# KiCad board frothfet-12ch.kicad_pcb (continued)
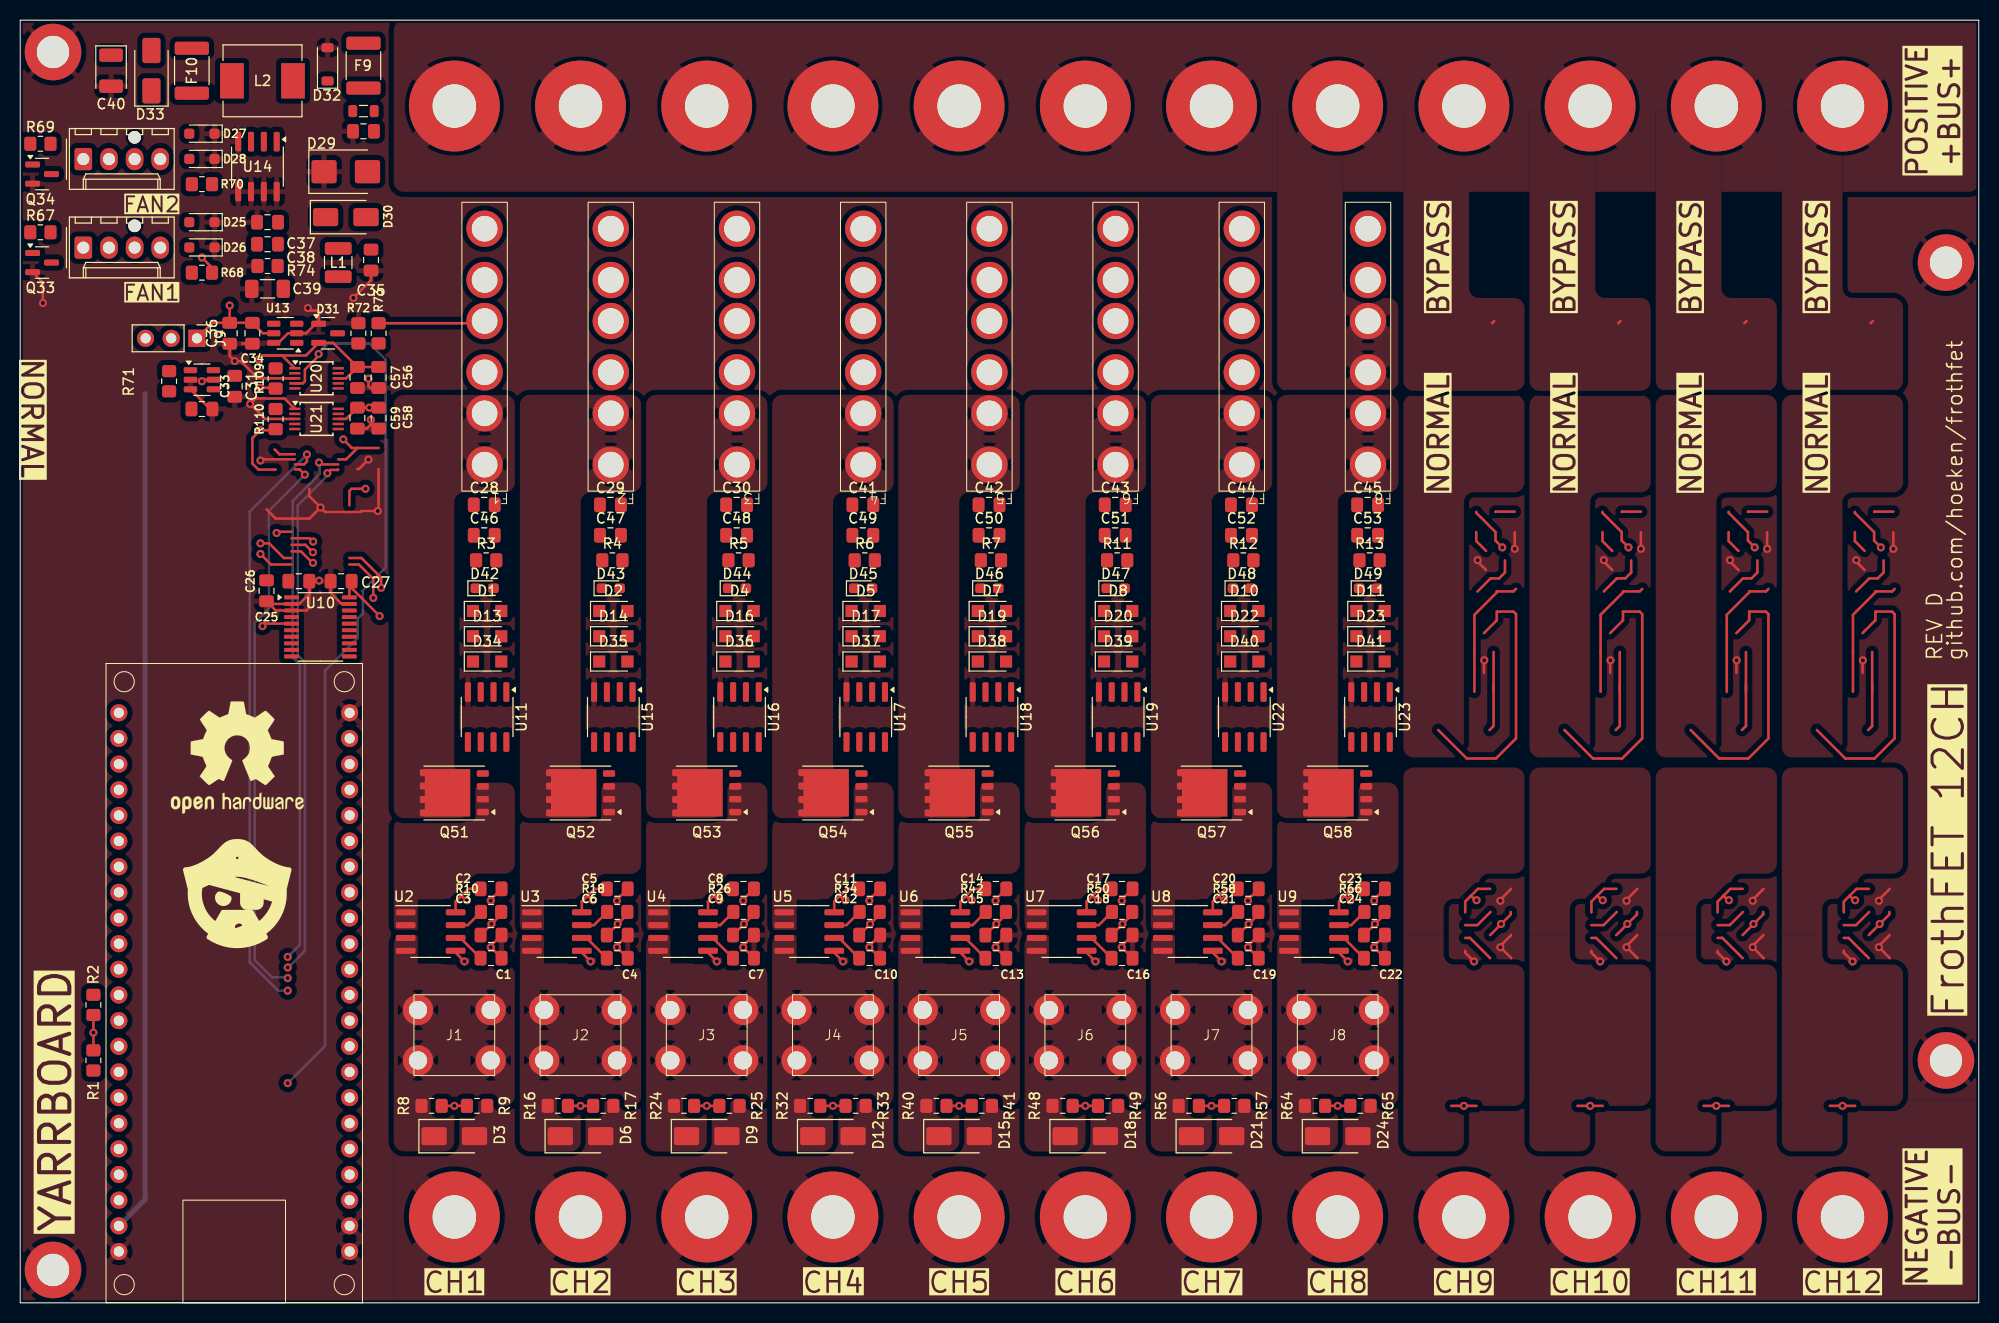
[diagram p0: board, top side]
## Copper pours and planes (outline as drawn; the poured copper is in the pictures) (continued)
Net-(D15-K) on Top: 91,36.5 91,33.5 99,33.5 99,19.5 93,19.5 93,15 86.99,15 87,36.5
Net-(D15-K) on Top: 91,36.5 91,33.5 99,33.5 99,19.5 93,19.5 93,15 86.99,15 87,36.5
Net-(D15-K) on Bottom: 87,20 87,109 99,109 99,99.5 93,99.5 93,32.5 99,32.5 99,20
Net-(D15-K) on Bottom: 87,20 87,109 99,109 99,99.5 93,99.5 93,32.5 99,32.5 99,20
Net-(D18-K) on Top: 103.5,36.5 103.5,33.5 111.5,33.5 111.5,19.5 105.5,19.5 105.5,15 99.49,15 99.5,36.5
Net-(D18-K) on Top: 103.5,36.5 103.5,33.5 111.5,33.5 111.5,19.5 105.5,19.5 105.5,15 99.49,15 99.5,36.5
Net-(D18-K) on Bottom: 99.5,20 99.5,109 111.5,109 111.5,99.5 105.5,99.5 105.5,32.5 111.5,32.5 111.5,20
Net-(D18-K) on Bottom: 99.5,20 99.5,109 111.5,109 111.5,99.5 105.5,99.5 105.5,32.5 111.5,32.5 111.5,20
Net-(D21-K) on Top: 116,36.5 116,33.5 124,33.5 124,19.5 118,19.5 118,15 111.99,15 112,36.5
Net-(D21-K) on Top: 116,36.5 116,33.5 124,33.5 124,19.5 118,19.5 118,15 111.99,15 112,36.5
Net-(D21-K) on Bottom: 112,20 112,109 124,109 124,99.5 118,99.5 118,32.5 124,32.5 124,20
Net-(D21-K) on Bottom: 112,20 112,109 124,109 124,99.5 118,99.5 118,32.5 124,32.5 124,20
Net-(D24-K) on Top: 128.5,36.5 128.5,33.5 136.5,33.5 136.5,19.5 130.5,19.5 130.5,15 124.49,15 124.5,36.5
Net-(D24-K) on Top: 128.5,36.5 128.5,33.5 136.5,33.5 136.5,19.5 130.5,19.5 130.5,15 124.49,15 124.5,36.5
Net-(D24-K) on Bottom: 124.5,20 124.5,109 136.5,109 136.5,99.5 130.5,99.5 130.5,32.5 136.5,32.5 136.5,20
Net-(D24-K) on Bottom: 124.5,20 124.5,109 136.5,109 136.5,99.5 130.5,99.5 130.5,32.5 136.5,32.5 136.5,20
Net-(D36-A) on Top: 74,89.9 62,89.9 62,48 69.5,48 69.5,52.5 68,52.5 68,80.25 74,80.25
Net-(D36-A) on Top: 74,89.9 62,89.9 62,48 69.5,48 69.5,52.5 68,52.5 68,80.25 74,80.25
Net-(D37-A) on Top: 86.5,89.9 74.5,89.9 74.5,48 82,48 82,52.5 80.5,52.5 80.5,80.25 86.5,80.25
Net-(D37-A) on Top: 86.5,89.9 74.5,89.9 74.5,48 82,48 82,52.5 80.5,52.5 80.5,80.25 86.5,80.25
Net-(D38-A) on Top: 99,89.9 87,89.9 87,48 94.5,48 94.5,52.5 93,52.5 93,80.25 99,80.25
Net-(D38-A) on Top: 99,89.9 87,89.9 87,48 94.5,48 94.5,52.5 93,52.5 93,80.25 99,80.25
Net-(D39-A) on Top: 111.5,89.9 99.5,89.9 99.5,48 107,48 107,52.5 105.5,52.5 105.5,80.25 111.5,80.25
Net-(D39-A) on Top: 111.5,89.9 99.5,89.9 99.5,48 107,48 107,52.5 105.5,52.5 105.5,80.25 111.5,80.25
Net-(D42-K) on Top: 41,36.5 41,40 44.5,40 44.5,42.5 49,42.5 49,51.5 45,51.5 45,48 37,48 37,36.5
Net-(D43-K) on Top: 53.5,36.5 53.5,40 57,40 57,42.5 61.5,42.5 61.5,51.5 57.5,51.5 57.5,48 49.5,48 49.5,36.5
Net-(D43-K) on Top: 53.5,36.5 53.5,40 57,40 57,42.5 61.5,42.5 61.5,51.5 57.5,51.5 57.5,48 49.5,48 49.5,36.5
Net-(D44-K) on Top: 66,36.5 66,40 69.5,40 69.5,42.5 74,42.5 74,51.5 70,51.5 70,48 62,48 62,36.5
Net-(D44-K) on Top: 66,36.5 66,40 69.5,40 69.5,42.5 74,42.5 74,51.5 70,51.5 70,48 62,48 62,36.5
Net-(D45-K) on Top: 78.5,36.5 78.5,40 82,40 82,42.5 86.5,42.5 86.5,51.5 82.5,51.5 82.5,48 74.5,48 74.5,36.5
Net-(D45-K) on Top: 78.5,36.5 78.5,40 82,40 82,42.5 86.5,42.5 86.5,51.5 82.5,51.5 82.5,48 74.5,48 74.5,36.5
Net-(D46-K) on Top: 91,36.5 91,40 94.5,40 94.5,42.5 99,42.5 99,51.5 95,51.5 95,48 87,48 87,36.5
Net-(D46-K) on Top: 91,36.5 91,40 94.5,40 94.5,42.5 99,42.5 99,51.5 95,51.5 95,48 87,48 87,36.5
Net-(D47-K) on Top: 103.5,36.5 103.5,40 107,40 107,42.5 111.5,42.5 111.5,51.5 107.5,51.5 107.5,48 99.5,48 99.5,36.5
Net-(D47-K) on Top: 103.5,36.5 103.5,40 107,40 107,42.5 111.5,42.5 111.5,51.5 107.5,51.5 107.5,48 99.5,48 99.5,36.5
Net-(D48-K) on Top: 116,36.5 116,40 119.5,40 119.5,42.5 124,42.5 124,51.5 120,51.5 120,48 112,48 112,36.5
Net-(D48-K) on Top: 116,36.5 116,40 119.5,40 119.5,42.5 124,42.5 124,51.5 120,51.5 120,48 112,48 112,36.5
Net-(D49-K) on Top: 128.5,36.5 128.5,40 132,40 132,42.5 136.5,42.5 136.5,51.5 132.5,51.5 132.5,48 124.5,48 124.5,36.5
Net-(D49-K) on Top: 128.5,36.5 128.5,40 132,40 132,42.5 136.5,42.5 136.5,51.5 132.5,51.5 132.5,48 124.5,48 124.5,36.5

## Text on the board
F.Silkscreen: REV D | github.com/hoeken/frothfet | CH1 | CH2 | CH3 | CH4 | CH5 | CH6 | CH7 | CH8 | CH9 | CH10 | CH11 | CH12 | NORMAL | BYPASS | POSITIVE / +BUS+ | NEGATIVE / -BUS- | FrothFET 12CH | YARRBOARD
